# Altium PCB Dashcam_V2.0E.PcbDoc (part 1 of 8)
Units mil, origin at the board's own origin, x right, y up, seen from the top; angles counter-clockwise.
Board outline 3544.65 x 2560.37 mil, 8 copper layers (TOP, L2_GND, L3_IN1, L4_IN2, L5_PWR2, L6_PWR1, L7_GND_2, BOTTOM), stack 48.184 mil thick; 411 components, 365 nets, 2257 pads, 1045 vias.
Unrouted connection lines stored in the file: 2.
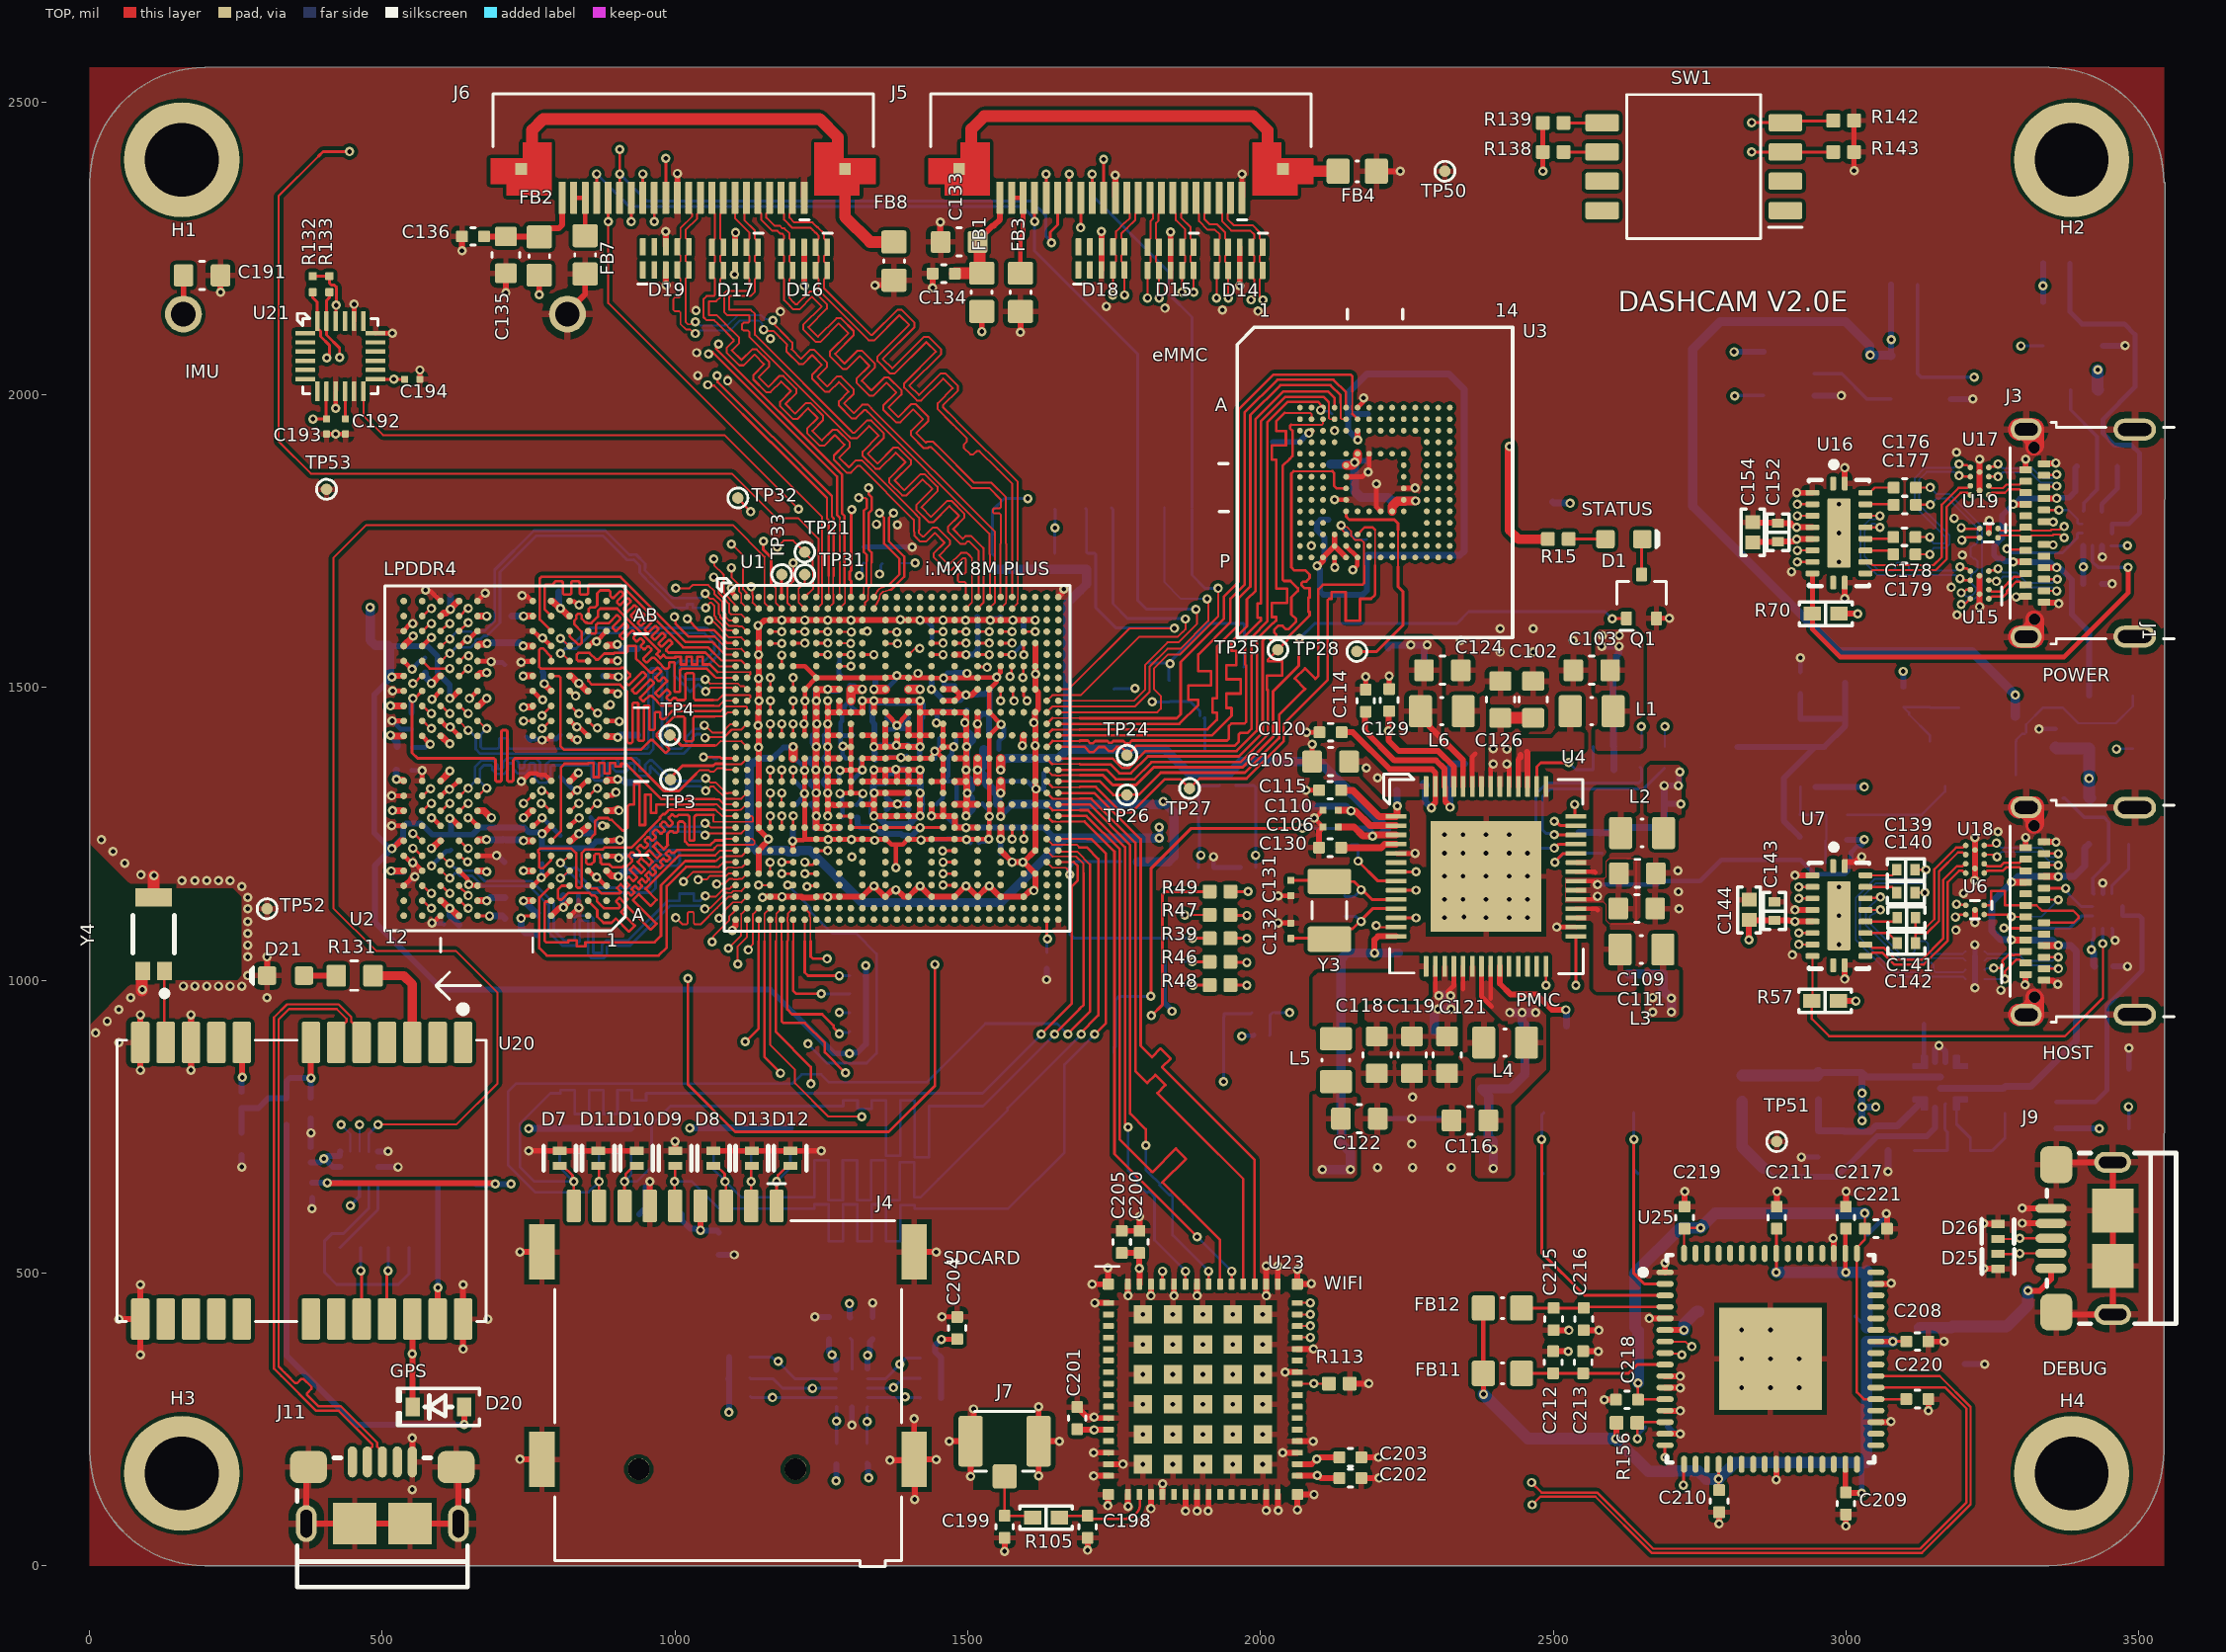
[diagram p0: TOP view]
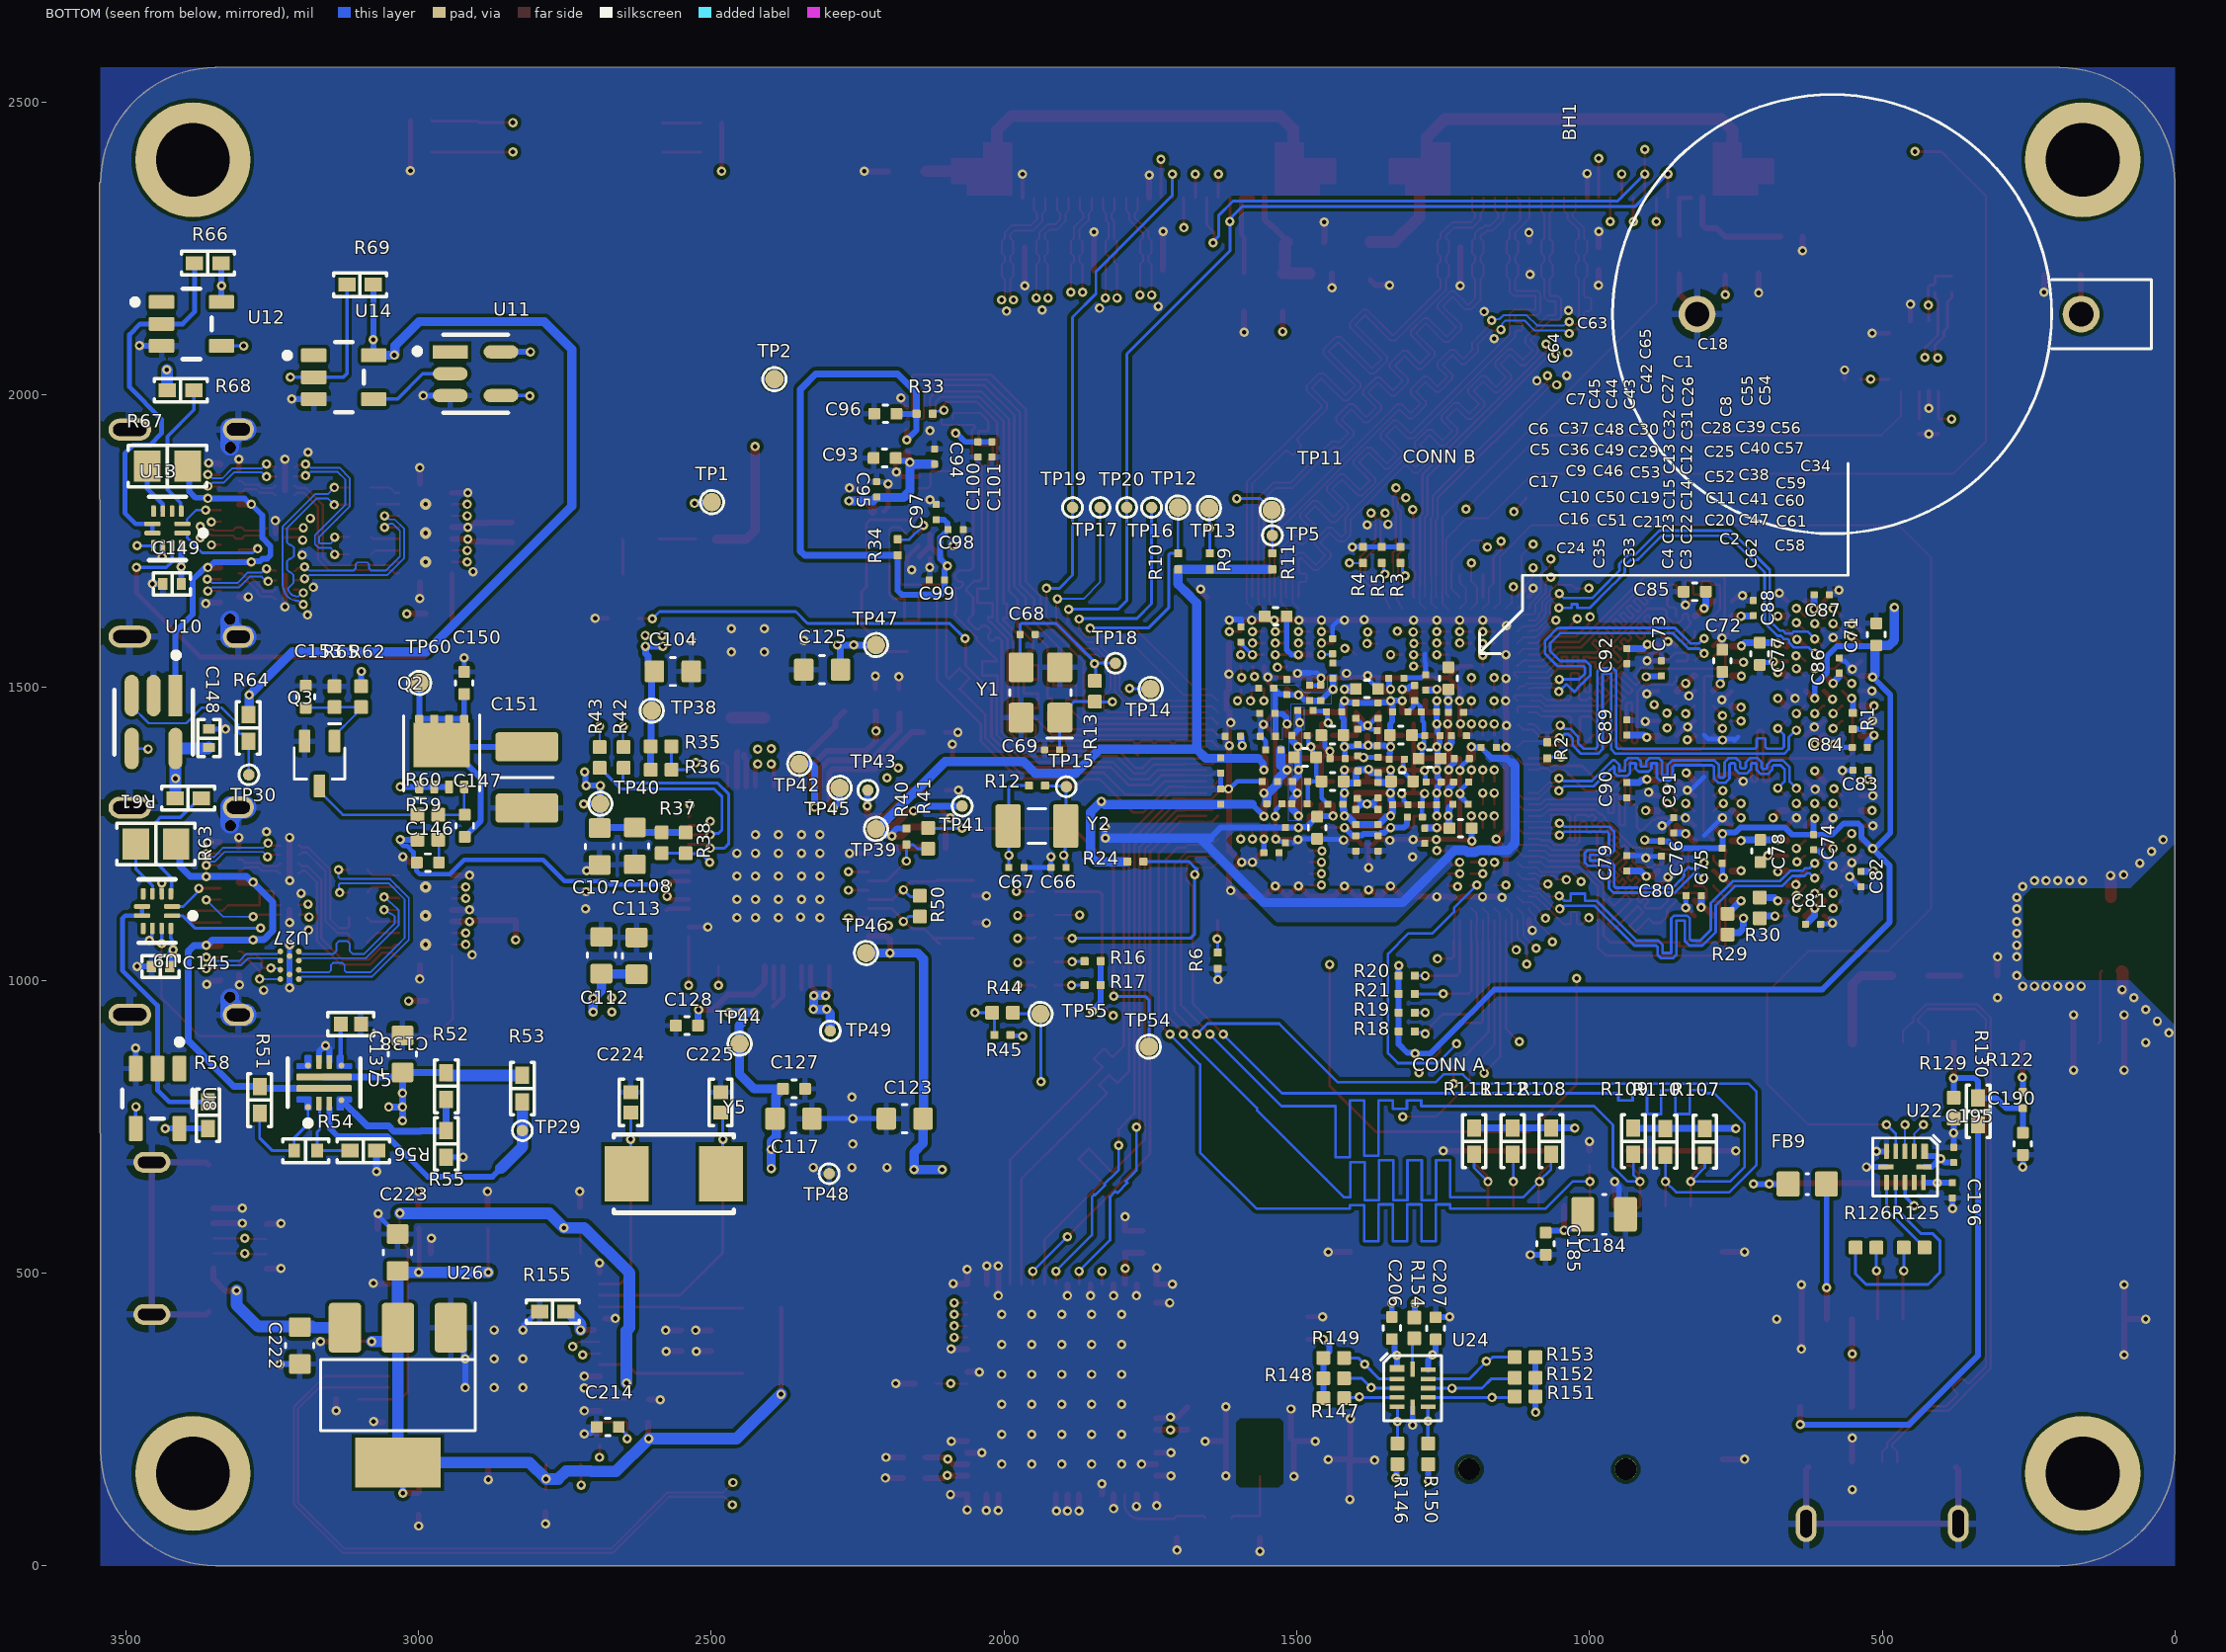
[diagram p1: BOTTOM view, seen from below]
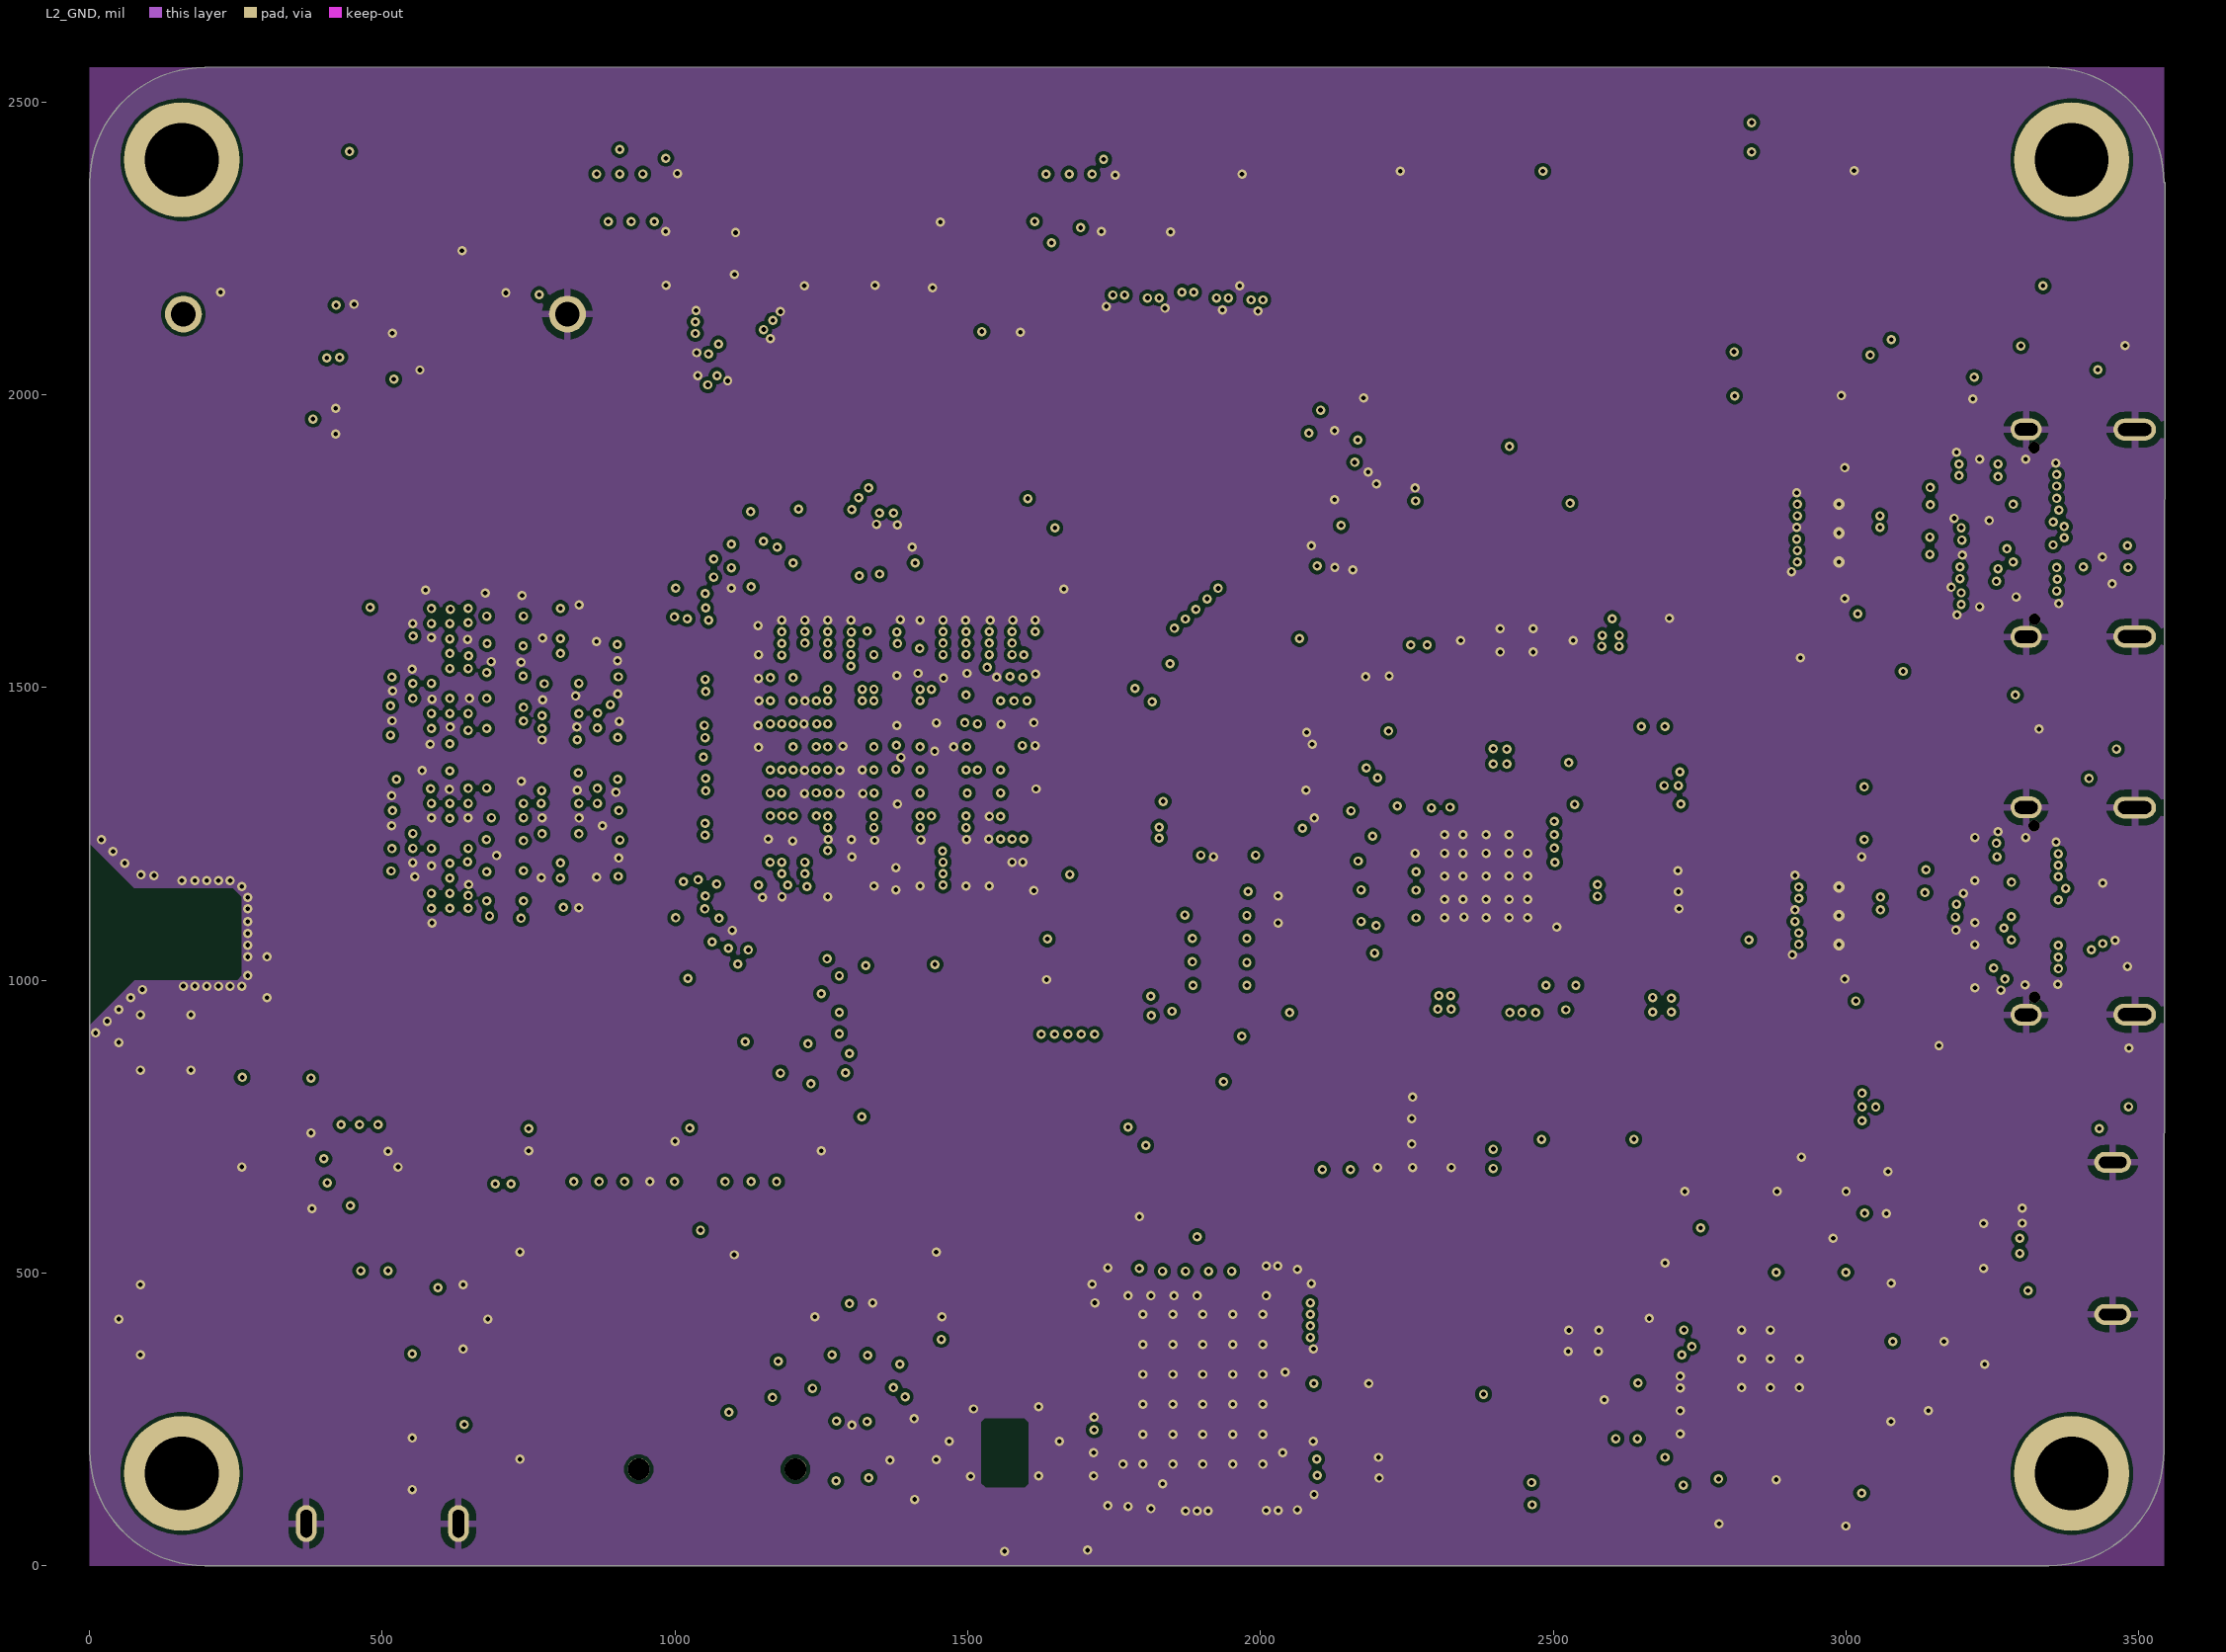
[diagram p2: L2_GND]
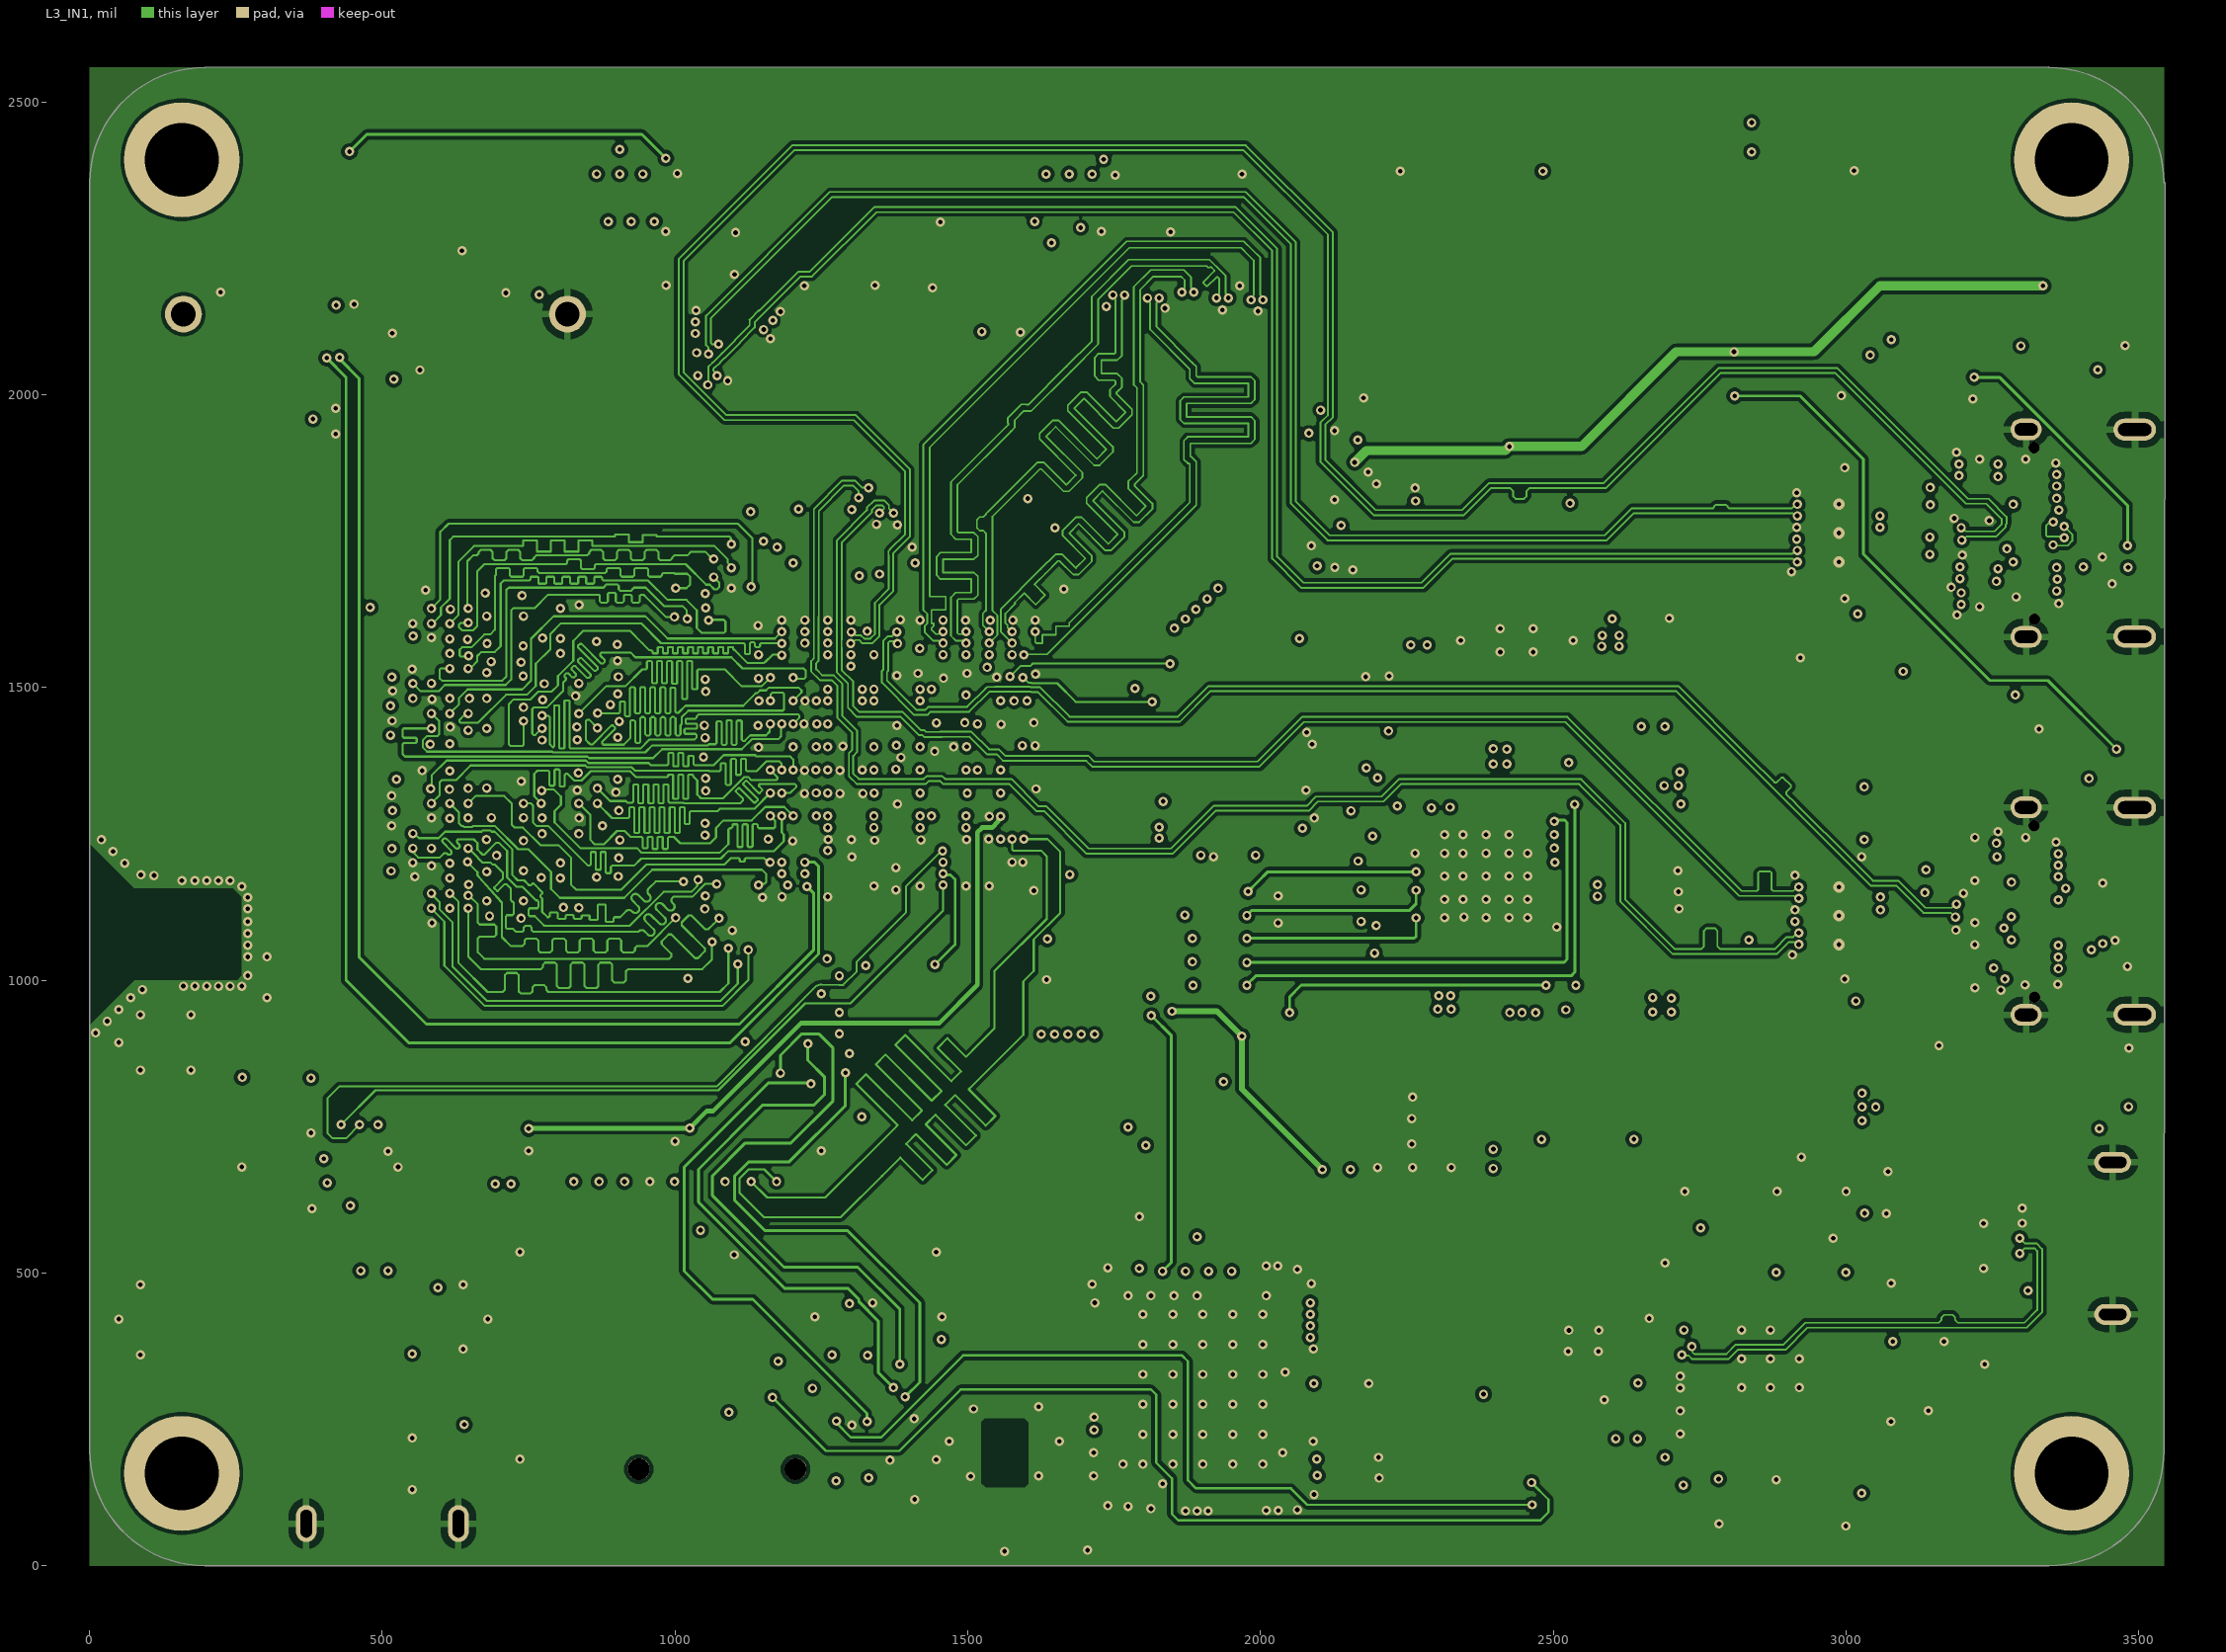
[diagram p3: L3_IN1]